# KiCad board middle.kicad_pcb (continued)
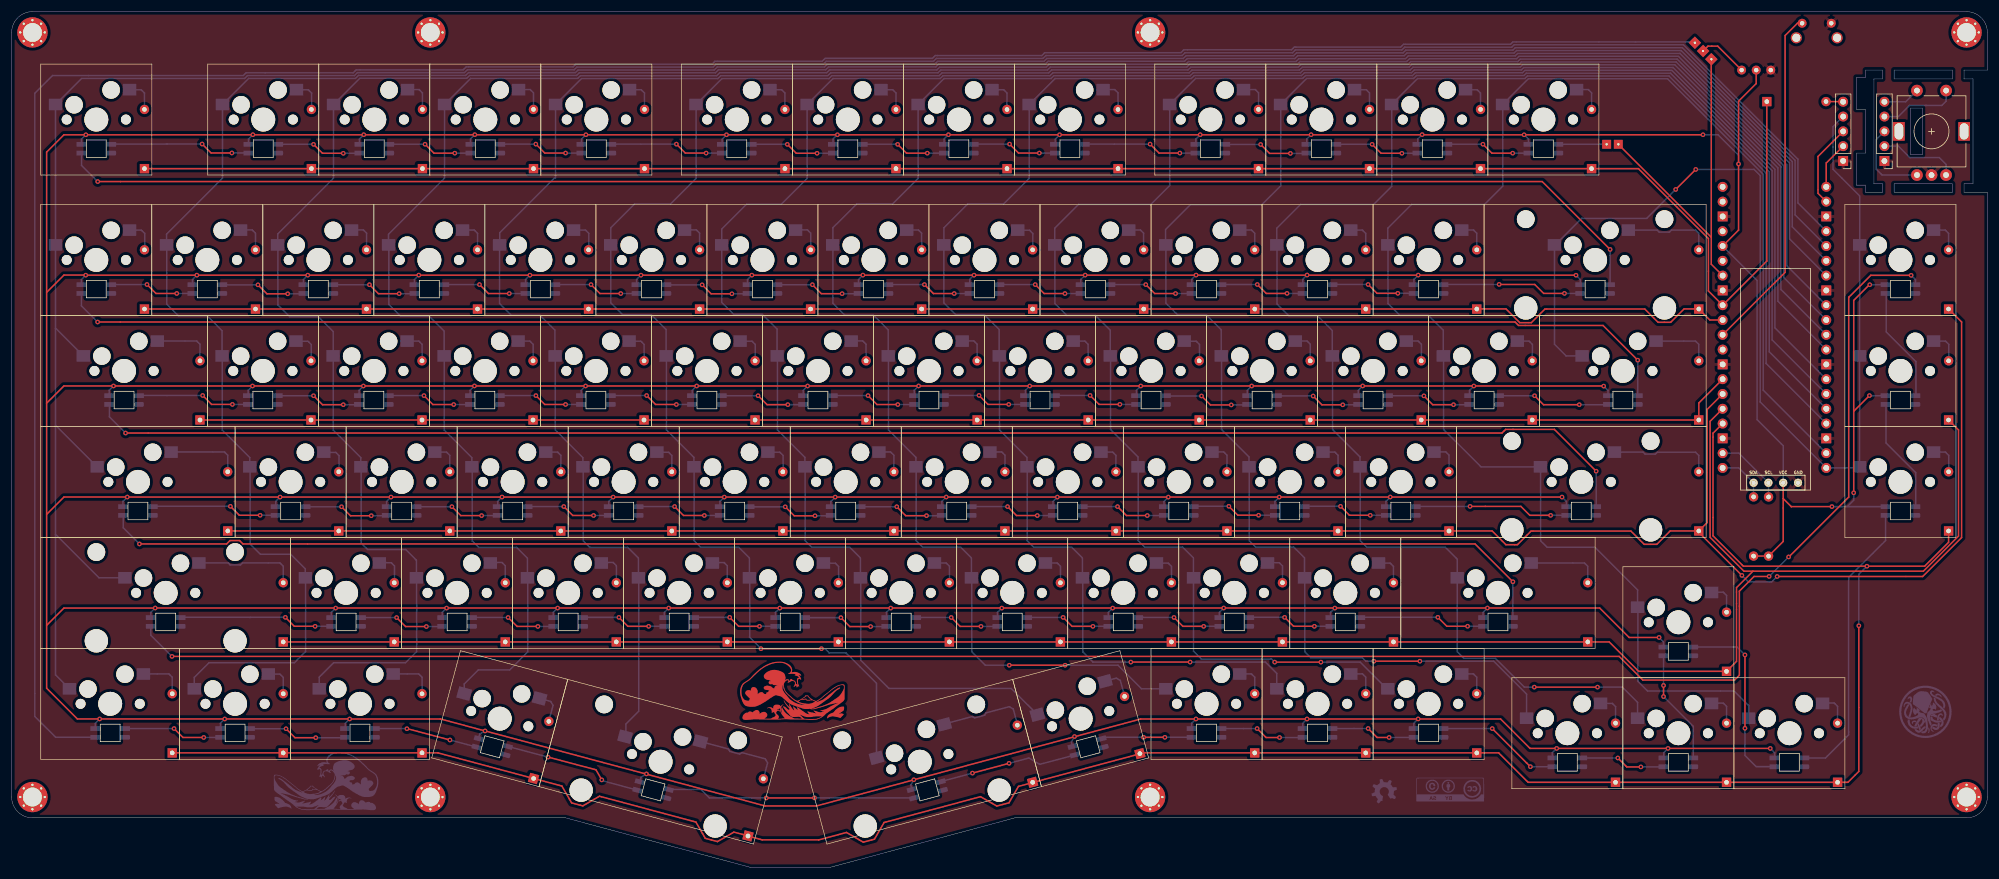
[diagram p0: board, top side]
## Routing (per net, layer and track width the routed paths; a pad name or vN(x,y) marks a point on that pad's centre or on a via; arc(x,y) is an arc through that point) (continued)
col09: length 316.6
  Top w0.254: v1(216.72,35.23) v1(224.65,35.23)
  Bottom w0.254: 198.7,130.93 198.7,117.04 195.47,113.8 183.06,113.8 178.98,109.72 178.98,106.8 ; 193.3,56.09 194.42,54.97 200.94,54.97 202.75,53.16 ; v1(224.65,35.23) 231.4,35.23 235.98,30.65 KF9.1 ; 202.79,49.76 202.79,37.1 204.13,35.76 216.19,35.76 v1(216.72,35.23) ; 202.78,53.13 202.78,50.12 ; KA9.1 203.16,135.44 221.53,135.44 222.01,135.92 240.36,135.92 240.85,136.41 259.24,136.41 259.65,136.82 284.86,136.82 302.07,119.61 302.07,90.55 311.36,81.26 ; 179.01,106.84 179.01,96.78 181.04,94.75 185.96,94.75 188.5,92.21 188.5,87.8 ; KD9.1 193.26,70.46 188.55,75.17 188.55,87.82 ; 193.3,56.09 193.3,68.74
col10: length 308.4
  Top w0.254: v1(241.63,35.39) v1(233.73,35.39)
  Bottom w0.254: 221.88,49.69 221.88,37.02 222.91,35.99 231.77,35.99 232.37,35.39 v1(233.73,35.39) ; U1.16 301.58,88.5 301.58,119.39 284.64,136.33 259.87,136.33 259.47,135.93 241.05,135.93 240.55,135.43 222.2,135.43 217.73,130.95 ; 221.83,53.13 221.83,50.12 ; KD10.1 212.31,70.46 207.6,75.17 207.6,87.82 ; 212.35,56.09 213.47,54.97 219.99,54.97 221.8,53.16 ; 212.35,56.09 212.35,68.74 ; KF10.1 259.94,29.75 254.3,35.39 v1(241.63,35.39) ; 198,106.78 198,109.49 202.26,113.75 214.5,113.75 217.75,117 217.75,130.93 ; 198.05,106.91 198.05,96.86 200.08,94.83 205,94.83 207.54,92.29 207.54,87.87
col11: length 290.7
  Top w0.254: v1(261.26,30.94) v1(272.11,30.94)
  Bottom w0.254: 226.65,87.82 226.65,75.17 231.36,70.46 KD11.1 ; 217.12,106.77 217.12,96.72 219.15,94.69 224.07,94.69 226.61,92.15 226.61,87.73 ; v1(272.11,30.94) 276.37,30.94 278.99,28.32 278.99,25.62 ; 231.4,56.09 231.4,68.74 ; 248.06,49.64 248.06,36.99 248.06,36.99 249.18,35.88 254.58,35.88 259.56,30.94 v1(261.26,30.94) ; 231.4,56.09 232.52,54.97 245.98,54.97 248.04,52.91 248.04,49.71 ; 236.8,130.93 236.8,116.9 233.71,113.81 221.16,113.81 217.08,109.73 217.08,106.81 ; KA11.1 241.24,135.42 259.64,135.42 260.07,135.85 284.38,135.85 301.04,119.19 301.04,86.51 301.04,86.51 311.36,76.18
col12: length 274.4
  Bottom w0.254: 279.04,44.63 279.04,31.94 280.71,30.27 295.55,30.27 298.05,27.77 298.05,25.61 ; 262.35,56.06 263.47,54.94 271.67,54.94 278.99,47.62 KE12.1 ; U1.19 300.54,81.92 300.54,118.97 284.13,135.38 260.25,135.38 KA12.1 ; KC12.1 245.65,92.22 243.11,94.76 238.19,94.76 236.16,96.79 236.16,106.84 ; 255.85,130.93 255.85,116.94 252.72,113.81 240.21,113.81 236.13,109.73 236.13,106.81 ; 245.7,87.82 245.7,75.17 252.12,68.75 KD12.1 ; 262.35,56.06 262.35,68.71
col13: length 187
  Top w0.254: 285.55,116.39 v1(288.97,119.82)
  Bottom w0.254: KD13.1 317.09,68.77 ; v1(285.53,116.38) 280.56,111.41 269.4,111.41 264.85,106.85 KB13.1 ; 269.47,87.8 266.72,87.8 264.73,89.79 264.73,106.78 ; 317.06,68.56 U1.20 300.03,79.89 300.03,118.76 298.97,119.82 v1(288.97,119.82) ; J3.4 312.52,127.15 312.52,119.84 317.09,115.27 317.09,106.86
ENCA: length 14.4
  Top w0.254: 311.37,114.28 309.94,115.71 309.94,122.03 J3.3
ENCB: length 8.2
  Top w0.254: J3.2 311.36,120.91 311.36,116.82
RESET: length 59.6
  Top w0.254: RSW0.1 306.41,144.91 304.3,142.8 304.3,102.14 302.54,100.38 302.54,100.38 U1.30
RGB: length 60.5
  Top w0.254: J7.2 275.68,124.12 291.63,108.17 ; 291.63,108.17 291.63,103.54 293.58,101.59 ; 291.63,108.17 291.63,134.72 291.62,134.72 291.62,138.73
RGB_Matrix: length 8.3
  Bottom w0.254: KA12.6 273.69,124.12
RGB_Out: length 407.4
  Bottom w0.254: 288.81,141.56 288.67,141.7 257.59,141.7 257.19,141.3 238.83,141.3 238.35,140.82 220.08,140.82 219.61,140.35 201.13,140.35 200.64,139.86 177.27,139.86 176.77,139.36 158.47,139.36 157.99,138.88 139.58,138.88 139.08,138.38 120.67,138.38 120.17,137.88 96.81,137.88 96.35,137.42 77.99,137.42 77.48,136.91 59.12,136.91 58.61,136.4 40.22,136.4 39.75,135.93 7.01,135.93 3.97,132.89 3.97,25.91 7.55,22.32 KF0.4
RGB_Pin: length 8.7
  Top w0.254: J5.1 292.73,140.98 291.06,140.98 J6.2
row00: length 323.9
  Top w0.254: DA0.1 279.13,119.95 291.14,107.94 291.14,98.94 U1.32 301.16,104.08 301.16,131.47
row01: length 275.5
  Top w0.254: DB0.1 251.39,95.85 ; 251.38,95.87 256.41,95.87 258.77,93.51 260.75,93.51 263.09,95.85 280.22,95.85 282.5,93.57 284.66,93.57 286.96,95.87 289.52,95.87 ; 289.49,95.85 291.38,93.96 293.58,93.96
row02: length 265.9
  Top w0.254: U1.27 289.49,79.71 289.49,76.81 ; DC0.1 289.49,76.8
row03: length 373.6
  Top w0.254: v1(296.88,50.12) 289.49,57.51 DD12.1 ; 293.58,81.26 290.93,78.61 290.93,59.2 289.49,57.76 ; v1(302.93,49.93) 327.9,49.93 334.58,56.61 334.58,93.63 332.36,95.85 DD13.1 ; 289.49,57.75 284.58,57.75 282.28,55.45 280.12,55.45 277.84,57.73 260.71,57.73 258.37,55.39 256.39,55.39 254.03,57.75 DD0.1
  Bottom w0.254: v1(296.88,50.12) 298,49 302,49 v1(302.93,49.93)
row04: length 359.9
  Top w0.254: U1.25 291.43,76.57 291.43,56.65 297.24,50.84 298.78,50.84 ; DE0.1 274.12,38.7 279.17,33.65 DE12.1 295.96,35.36 295.96,48.02 298.78,50.84 ; 298.78,50.84 328.02,50.84 334.05,56.87 334.05,75.1 DE13.1
row05: length 405.9
  Top w0.254: DF13.1 332.35,55.81 328.23,51.7 v1(318.34,51.7) 297.14,51.7 291.93,56.91 291.93,74.53 293.58,76.18 ; DF0.1 70.42,19.65 ; 175.2,14.56 172.75,13.9 171.12,11.08 169.04,10.52 166.24,12.13 149.7,7.7 148.04,4.83 146.13,4.32 143.24,5.99 138.48,4.71 138.47,4.71 128.8,4.71 126.36,5.37 ; 89.53,15.26 73.16,19.65 73.15,19.65 DF2.1 ; 175.23,14.57 193.6,19.5 ; v1(316.95,41.48) 316.95,16.47 315.08,14.6 DF12.1 DF10.1 260.2,14.6 255.15,19.65 DF9.1 193.69,19.65 193.59,19.55 ; 89.55,15.26 94.41,13.96 96.08,11.07 97.99,10.55 100.86,12.21 117.41,7.77 119.02,4.98 121.11,4.42 123.92,6.05 126.36,5.4
  Bottom w0.254: v1(318.34,51.7) 316.95,50.31 v1(316.95,41.48)
SCL: length 12.4
  Bottom w0.254: 301.46,66.02 R2.1 ; 301.44,66.04 296.38,71.1 U1.22
SDA: length 8.8
  Bottom w0.254: 298.89,66.01 R1.1 ; 298.9,66.02 296.36,68.56 U1.21
Net-(DA0-Pad2): length 5.6
  Bottom w0.254: 20.23,133.48 22.23,133.48 22.79,132.92 22.79,130.09
Net-(DA1-Pad2): length 5.6
  Bottom w0.254: 51.47,130.09 51.47,132.92 50.91,133.48 48.91,133.48
Net-(DA2-Pad2): length 5.6
  Bottom w0.254: 70.48,130.13 70.48,132.96 69.92,133.52 67.92,133.52
Net-(DA3-Pad2): length 5.6
  Bottom w0.254: 89.54,130.13 89.54,132.96 88.98,133.52 86.98,133.52
Net-(DA4-Pad2): length 5.6
  Bottom w0.254: 106.02,133.5 108.02,133.5 108.58,132.94 108.58,130.11
Net-(DA5-Pad2): length 5.6
  Bottom w0.254: 130.12,133.5 132.12,133.5 132.68,132.94 132.68,130.11
Net-(DA6-Pad2): length 5.6
  Bottom w0.254: 151.74,130.11 151.74,132.94 151.18,133.5 149.18,133.5
Net-(DA7-Pad2): length 5.6
  Bottom w0.254: 168.22,133.5 170.22,133.5 170.78,132.94 170.78,130.11
Net-(DA8-Pad2): length 5.6
  Bottom w0.254: 187.28,133.52 189.28,133.52 189.84,132.96 189.84,130.13
Net-(DA9-Pad2): length 5.6
  Bottom w0.254: 213.95,130.13 213.95,132.96 213.39,133.52 211.39,133.52
Net-(DA10-Pad2): length 5.6
  Bottom w0.254: 230.43,133.5 232.43,133.5 232.99,132.94 232.99,130.11
Net-(DA11-Pad2): length 5.6
  Bottom w0.254: 249.47,133.48 251.47,133.48 252.03,132.92 252.03,130.09
Net-(DA12-Pad2): length 5.6
  Bottom w0.254: 271.1,130.13 271.1,132.96 270.54,133.52 268.54,133.52
Net-(DB0-Pad2): length 5.6
  Bottom w0.254: 22.83,106 22.83,108.83 22.27,109.39 20.27,109.39
Net-(DB1-Pad2): length 5.6
  Bottom w0.254: 41.84,106.04 41.84,108.87 41.28,109.43 39.28,109.43
Net-(DB2-Pad2): length 5.6
  Bottom w0.254: 60.9,106.04 60.9,108.87 60.34,109.43 58.34,109.43
Net-(DB3-Pad2): length 5.6
  Bottom w0.254: 79.94,106.02 79.94,108.85 79.38,109.41 77.38,109.41
Net-(DB4-Pad2): length 5.6
  Bottom w0.254: 96.47,109.4 98.47,109.4 99.03,108.84 99.03,106.01
Net-(DB5-Pad2): length 5.6
  Bottom w0.254: 118.04,106.05 118.04,108.88 117.48,109.44 115.48,109.44
Net-(DB6-Pad2): length 5.6
  Bottom w0.254: 137.1,106.05 137.1,108.88 136.54,109.44 134.54,109.44
Net-(DB7-Pad2): length 5.6
  Bottom w0.254: 156.14,106.03 156.14,108.86 155.58,109.42 153.58,109.42
Net-(DB8-Pad2): length 5.6
  Bottom w0.254: 172.66,109.38 174.66,109.38 175.22,108.82 175.22,105.99
Net-(DB9-Pad2): length 5.6
  Bottom w0.254: 194.23,106.03 194.23,108.86 193.67,109.42 191.67,109.42
Net-(DB10-Pad2): length 5.6
  Bottom w0.254: 213.29,106.03 213.29,108.86 212.73,109.42 210.73,109.42
Net-(DB11-Pad2): length 5.6
  Bottom w0.254: 229.77,109.4 231.77,109.4 232.33,108.84 232.33,106.01
Net-(DB12-Pad2): length 5.6
  Bottom w0.254: 248.83,109.42 250.83,109.42 251.39,108.86 251.39,106.03
Net-(DB13-Pad2): length 15.5
  Bottom w0.254: 277.33,109.39 282.36,109.39 282.7,109.05 284.46,109.05 284.8,109.39 288.93,109.39 289.49,108.83 289.49,106
Net-(DC0-Pad2): length 10.4
  Bottom w0.254: 24.99,90.36 31.75,90.36 32.31,89.8 32.31,86.97
Net-(DC1-Pad2): length 5.6
  Bottom w0.254: 48.85,90.31 50.85,90.31 51.41,89.75 51.41,86.92
Net-(DC2-Pad2): length 5.6
  Bottom w0.254: 70.42,86.96 70.42,89.79 69.86,90.35 67.86,90.35
Net-(DC3-Pad2): length 5.6
  Bottom w0.254: 89.48,86.96 89.48,89.79 88.92,90.35 86.92,90.35
Net-(DC4-Pad2): length 5.6
  Bottom w0.254: 108.52,86.94 108.52,89.77 107.96,90.33 105.96,90.33
Net-(DC5-Pad2): length 5.6
  Bottom w0.254: 125.03,90.33 127.03,90.33 127.59,89.77 127.59,86.94
Net-(DC6-Pad2): length 5.6
  Bottom w0.254: 146.6,86.98 146.6,89.81 146.04,90.37 144.04,90.37
Net-(DC7-Pad2): length 5.6
  Bottom w0.254: 165.66,86.98 165.66,89.81 165.1,90.37 163.1,90.37
Net-(DC8-Pad2): length 5.6
  Bottom w0.254: 182.14,90.35 184.14,90.35 184.7,89.79 184.7,86.96
Net-(DC9-Pad2): length 5.6
  Bottom w0.254: 203.82,86.93 203.82,89.76 203.26,90.32 201.26,90.32
Net-(DC10-Pad2): length 5.6
  Bottom w0.254: 220.27,90.36 222.27,90.36 222.83,89.8 222.83,86.97
Net-(DC11-Pad2): length 5.6
  Bottom w0.254: 241.89,86.97 241.89,89.8 241.33,90.36 239.33,90.36
Net-(DC12-Pad2): length 5.6
  Bottom w0.254: 260.93,86.95 260.93,89.78 260.37,90.34 258.37,90.34
Net-(DC13-Pad2): length 10.4
  Bottom w0.254: 282.16,90.35 288.92,90.35 289.48,89.79 289.48,86.96
Net-(DD0-Pad2): length 12.8
  Bottom w0.254: 27.37,71.31 36.52,71.31 37.08,70.75 37.08,67.92
Net-(DD1-Pad2): length 5.6
  Bottom w0.254: 56.17,67.85 56.17,70.68 55.61,71.24 53.61,71.24
Net-(DD2-Pad2): length 5.6
  Bottom w0.254: 75.18,67.89 75.18,70.72 74.62,71.28 72.62,71.28
Net-(DD3-Pad2): length 5.6
  Bottom w0.254: 91.68,71.28 93.68,71.28 94.24,70.72 94.24,67.89
Net-(DD4-Pad2): length 5.6
  Bottom w0.254: 113.28,67.87 113.28,70.7 112.72,71.26 110.72,71.26
Net-(DD5-Pad2): length 5.6
  Bottom w0.254: 129.81,71.27 131.81,71.27 132.37,70.71 132.37,67.88
Net-(DD6-Pad2): length 5.6
  Bottom w0.254: 151.38,67.92 151.38,70.75 150.82,71.31 148.82,71.31
Net-(DD7-Pad2): length 5.6
  Bottom w0.254: 167.88,71.31 169.88,71.31 170.44,70.75 170.44,67.92
Net-(DD8-Pad2): length 5.6
  Bottom w0.254: 186.92,71.29 188.92,71.29 189.48,70.73 189.48,67.9
Net-(DD9-Pad2): length 5.6
  Bottom w0.254: 205.97,71.32 207.97,71.32 208.53,70.76 208.53,67.93
Net-(DD10-Pad2): length 5.6
  Bottom w0.254: 225.03,71.29 227.03,71.29 227.59,70.73 227.59,67.9
Net-(DD11-Pad2): length 5.6
  Bottom w0.254: 244.07,71.33 246.07,71.33 246.63,70.77 246.63,67.94
Net-(DD12-Pad2): length 17.9
  Bottom w0.254: 274.91,71.28 279.94,71.28 280.28,70.94 282.04,70.94 282.37,71.27 288.93,71.27 289.49,70.71 289.49,67.88
Net-(DD13-Pad2): length 5.6
  Bottom w0.254: 329.79,109.4 331.79,109.4 332.35,108.84 DD13.2
Net-(DE0-Pad2): length 17.8
  Bottom w0.254: 46.6,48.87 46.6,51.7 46.04,52.26 39.6,52.26 39.26,51.92 37.5,51.92 37.16,52.26 32.13,52.26
Net-(DE1-Pad2): length 5.6
  Bottom w0.254: 63.13,52.3 65.13,52.3 65.69,51.74 65.69,48.91
Net-(DE2-Pad2): length 5.6
  Bottom w0.254: 82.14,52.34 84.14,52.34 84.7,51.78 84.7,48.95
Net-(DE3-Pad2): length 5.6
  Bottom w0.254: 103.76,48.95 103.76,51.78 103.2,52.34 101.2,52.34
Net-(DE4-Pad2): length 5.6
  Bottom w0.254: 122.8,48.93 122.8,51.76 122.24,52.32 120.24,52.32
Net-(DE5-Pad2): length 5.6
  Bottom w0.254: 141.9,48.82 141.9,51.65 141.34,52.21 139.34,52.21
Net-(DE6-Pad2): length 5.6
  Bottom w0.254: 158.35,52.25 160.35,52.25 160.91,51.69 160.91,48.86
Net-(DE7-Pad2): length 5.6
  Bottom w0.254: 179.97,48.86 179.97,51.69 179.41,52.25 177.41,52.25
Net-(DE8-Pad2): length 5.6
  Bottom w0.254: 196.45,52.23 198.45,52.23 199.01,51.67 199.01,48.84
Net-(DE9-Pad2): length 5.6
  Bottom w0.254: 215.5,52.31 217.5,52.31 218.06,51.75 218.06,48.92
Net-(DE10-Pad2): length 5.6
  Bottom w0.254: 234.54,52.23 236.54,52.23 237.1,51.67 237.1,48.84
Net-(DE11-Pad2): length 12.8
  Bottom w0.254: 260.73,52.25 269.87,52.25 270.43,51.69 270.43,48.86
Net-(DE12-Pad2): length 5.6
  Bottom w0.254: 291.69,47.24 293.69,47.24 294.25,46.68 294.25,43.85
Net-(DE13-Pad2): length 5.6
  Bottom w0.254: 332.38,86.95 332.38,89.78 331.82,90.34 329.82,90.34
Net-(DF0-Pad2): length 8
  Bottom w0.254: DF0.2 27.55,32.64 26.99,33.2 22.61,33.2
Net-(DF1-Pad2): length 5.6
  Bottom w0.254: 46.6,29.78 46.6,32.61 46.04,33.17 44.04,33.17
Net-(DF2-Pad2): length 8
  Bottom w0.254: 65.47,33.2 69.86,33.2 70.42,32.64 70.42,29.81
Net-(DF3-Pad2): length 5.6
  Bottom w0.254: 92.16,25.07 92.89,27.8 92.49,28.49 90.56,29
Net-(DF4-Pad2): length 15.5
  Bottom w0.254: 124.92,19.45 123.22,19.91 122.98,20.32 118.12,21.62 ; 125.32,19.69 124.9,19.45 ; 128.98,15.2 129.71,17.93 129.31,18.62 ; 129.3,18.63 125.31,19.69
Net-(DF5-Pad2): length 15.5
  Bottom w0.254: 159.97,24.59 164.83,25.89 165.25,25.65 166.95,26.11 ; 172.59,24.46 171.86,27.19 171.17,27.59 ; 171.16,27.58 167.18,26.52 ; 167.18,26.52 166.94,26.1
Net-(DF6-Pad2): length 5.6
  Bottom w0.254: 190.96,29.36 190.23,32.09 189.54,32.49 187.61,31.97
Net-(DF7-Pad2): length 5.6
  Bottom w0.254: 213.29,29.82 213.29,32.65 212.73,33.21 210.73,33.21
Net-(DF8-Pad2): length 5.6
  Bottom w0.254: 229.78,33.22 231.78,33.22 232.34,32.66 232.34,29.83
Net-(DF9-Pad2): length 5.6
  Bottom w0.254: 251.38,29.82 251.38,32.65 250.82,33.21 248.82,33.21
Net-(DF10-Pad2): length 5.6
  Bottom w0.254: 272.65,28.15 274.65,28.15 275.21,27.59 275.21,24.76
Net-(DF11-Pad2): length 5.6
  Bottom w0.254: 291.7,28.19 293.7,28.19 294.26,27.63 294.26,24.8
Net-(DF12-Pad2): length 5.6
  Bottom w0.254: 313.3,24.82 313.3,27.65 312.74,28.21 310.74,28.21
Net-(DF13-Pad2): length 5.6
  Bottom w0.254: 332.37,67.9 332.37,70.73 331.81,71.29 329.81,71.29

## Copper pours and planes (outline as drawn; the poured copper is in the pictures)
GND on Top: 342.19,-1.39 -2.34,-2.37 -1.87,148.9 341.77,149.25
GND on Bottom: 342.14,-1.45 -2.39,-2.43 -1.92,148.84 341.72,149.19

## Text on the board
B.Silkscreen: UP ▲ | Kanagawa - rev 2.0 / by Ciaanh
